# Allegro board Try it by yourself - iMX6Rex module - Change track width on L3.brd (continued)
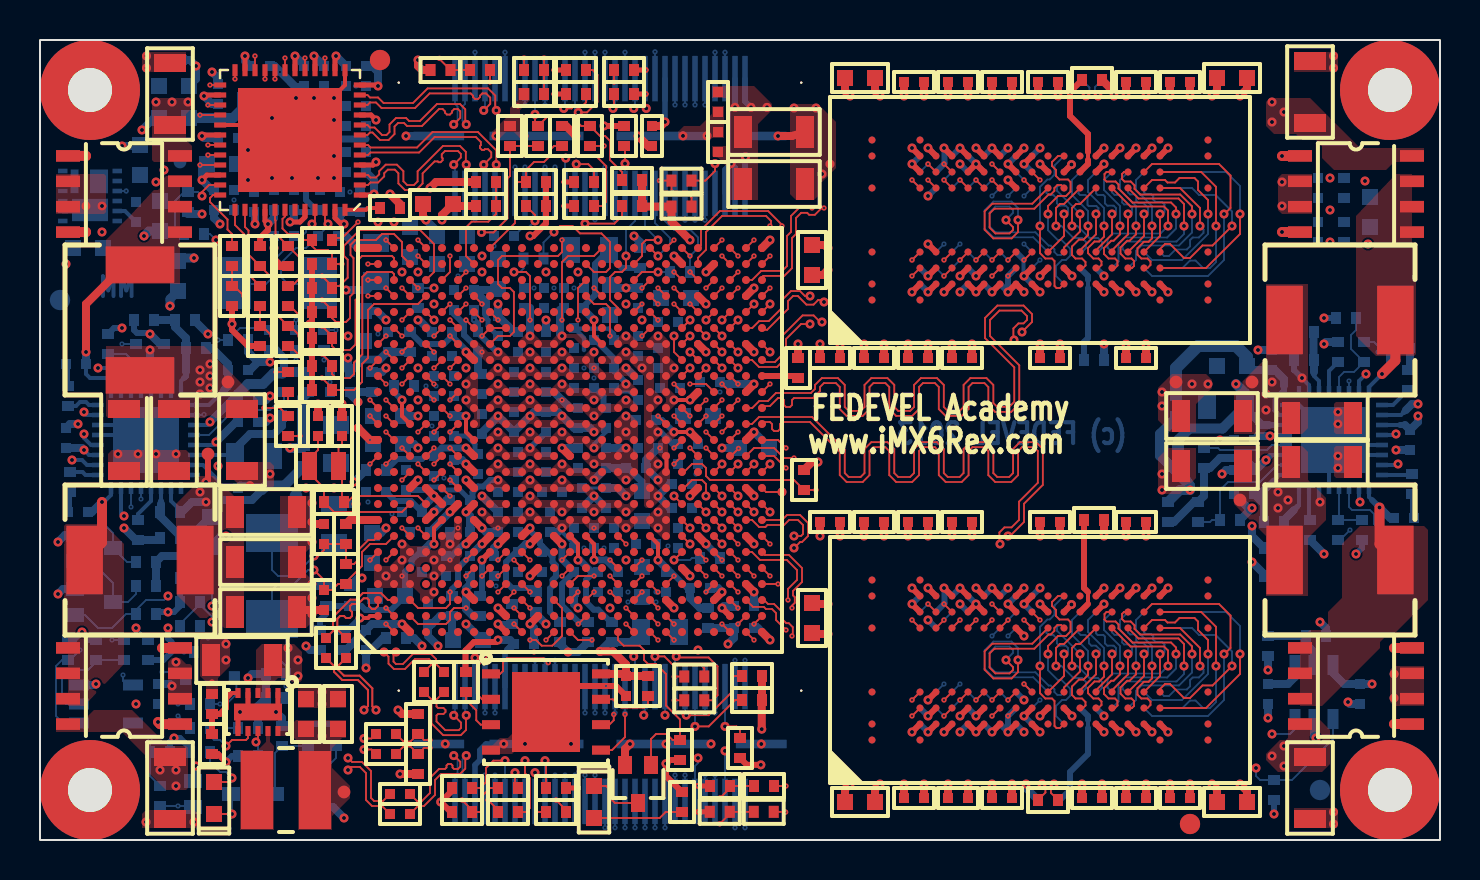
[diagram p0: board, top side]
## Routing (per net, layer and track width the routed paths; a pad name or vN(x,y) marks a point on that pad's centre or on a via; arc(x,y) is an arc through that point) (continued)
  L3 w0.1: v3(25.81,8.87) 25.7,8.98 25.7,9.59 25.87,9.76 25.87,11.04 25.7,11.21 25.7,12.28 25.2,12.78 25.2,16.5 25.8,17.1 26.3,17.1 26.9,17.7 26.9,25.2 v3(26.4,25.7)
CSPI3_MISO: length 27.8
  TOP w0.093: v2(26.9,26) 26.9,27.6 U1.P23 ; v2(24.7,9.4) 22.57,9.4 21.84,8.67 21.84,7.3 22.11,7.04 U10.2
  L2 w0.1: v3(26.6,26.3) v2(26.9,26) ; v2(24.7,9.4) v3(25.1,9.4)
  L3 w0.1: v3(25.1,9.4) 25.23,9.4 25.67,9.84 25.67,10.96 25.5,11.13 25.5,12.1 24.9,12.7 24.9,16.58 25.72,17.4 26.2,17.4 26.6,17.8 26.6,24.5 26.27,24.83 25.94,24.83 25.72,25.04 25.72,25.43 26.6,26.3 v3(26.6,26.3)
CSPI3_MOSI: length 28.2
  TOP w0.093: U1.P22 27.7,26.8 28.3,26.8 28.5,26.6 v2(28.5,25.2) ; v2(29.25,6.28) 29.25,5.15 28.6,4.5 U10.5
  L2 w0.1: v2(29.25,6.28) v3(29.25,6.68) ; v3(28.2,24.9) v2(28.5,25.2)
  L3 w0.1: v3(29.25,6.68) 28.03,7.9 27.37,7.9 26,9.27 26,9.6 26.07,9.68 26.07,11.13 25.9,11.3 25.9,12.47 25.5,12.87 25.5,16.4 25.9,16.8 26.4,16.8 27.2,17.6 27.2,24.43 27.67,24.9 v3(28.2,24.9)
DRAM0_ZQ: length 4.8
  TOP w0.2: 52.4,12.4 52.4,11.8
  TOP w0.3: 52.4,11.8 U2.L8 ; R4.2 52.2,12.6 52.4,12.4
DRAM1_ZQ: length 5.4
  BOTTOM w0.2: 52.4,6 52.4,5.6
  BOTTOM w0.3: 52.4,6 52.4,6.2 U3.L8 ; 52.4,5.6 52.4,4.3 51.5,3.4 51.5,2.5 51,2 R5.2
DRAM2_ZQ: length 5.4
  TOP w0.2: 52.4,34.4 52.4,34
  TOP w0.3: 52.4,34.4 52.4,35.3 51.5,36.2 51.5,37.4 R8.2 ; U4.L8 52.4,33.8 52.4,34
DRAM3_ZQ: length 4.8
  BOTTOM w0.2: 52.4,28 52.4,27.6
  BOTTOM w0.3: R9.2 52.2,24.9 52.4,25.1 52.4,27.6 ; U5.L8 52.4,28.2 52.4,28
DRAM_A0: length 70.8
  TOP w0.093: v1(54.4,31.3) 54.4,30.28 53.6,29.48 U4.N3 ; v1(54.4,9.3) 54.4,8.28 53.6,7.48 U2.N3 ; v2(34.1,20.4) U1.AC14
  L2 w0.1: v2(34.1,20.4) v3(34.4,20.1)
  L3 w0.1: v4(52.9,18.6) 52.62,18.6 51.27,17.25 46.11,17.25 45.69,17.68 44.6,17.68 44.42,17.5 40.83,17.5 38.73,19.6 36.9,19.6 36.71,19.42 36.71,19.18 36.87,19.02 36.87,18.64 36.66,18.43 36.24,18.43 35.9,18.08 35.9,17.75 35.75,17.6 35.5,17.6 35.35,17.75 35.35,18.05 35.2,18.2 34.95,18.2 34.8,18.05 34.8,17.75 34.65,17.6 34.4,17.6 34.25,17.75 34.25,18.05 34.1,18.2 33.25,18.2 33.12,18.33 33.12,18.7 33.25,18.83 33.53,18.83 33.9,19.2 34.23,19.2 34.6,19.57 34.6,19.9 v3(34.4,20.1)
  L10 w0.08: v1(54.4,9.3) 54.4,9.69 57,12.29 57,13 56.77,13.23 56.45,13.23 56.25,13.42 56.25,14.49 56.11,14.63 55.86,14.63 55.71,14.48 55.71,13.84 55.56,13.69 55.31,13.69 55.15,13.85 55.15,14.69 55.28,14.82 55.55,14.82 55.67,14.94 55.67,15.63 55.55,15.75 55.28,15.75 55.15,15.88 55.15,16.62 54.72,17.05 54.22,17.05 53.77,17.5 53.77,17.75 54.17,18.15 54.17,18.4 54.02,18.55 53.77,18.55 53.37,18.15 53.12,18.15 52.9,18.37 v4(52.9,18.6) 52.1,19.4 52.1,19.65 52.25,19.8 52.5,19.8 52.7,20 52.7,21.74 53.7,22.74 53.7,23 55.12,24.43 55.46,24.43 55.67,24.64 55.67,25.42 57.3,27.04 57.3,27.76 56.26,28.8 55.99,28.8 54.4,30.39 v1(54.4,31.3)
  BOTTOM w0.093: U5.N3 53.6,32.38 53.73,32.25 53.96,32.25 54.11,32.11 54.11,31.87 54.21,31.78 54.44,31.78 54.6,31.62 54.6,31.4 54.5,31.3 v1(54.4,31.3) ; U3.N3 53.6,10.38 53.73,10.25 53.96,10.25 54.11,10.11 54.11,9.87 54.21,9.78 54.44,9.78 54.6,9.62 54.6,9.4 54.5,9.3 v1(54.4,9.3)
DRAM_A1: length 74
  TOP w0.093: v1(57.2,8.7) 57.2,9.8 56.92,10.08 54.92,10.08 U2.P7 ; U4.P7 54.92,32.08 56.92,32.08 57.2,31.8 v1(57.2,30.7) ; U1.AB14 v2(34.1,21.2)
  L2 w0.1: v3(33.8,20.9) v2(34.1,21.2)
  L3 w0.1: v3(33.8,20.9) 33.91,21.01 34.08,21.01 34.17,21.1 39.25,21.1 41.35,19 46.06,19 46.33,18.73 46.66,18.73 46.93,19 47.5,19 48.02,18.48 50.83,18.48 52.25,19.9 53.33,19.9 53.66,20.23 55.25,20.23 55.45,20.43 56.76,20.43 57.05,20.72 57.05,21.5 56.9,21.65 56.65,21.65 56.5,21.5 56.5,21.3 56.2,21 v4(55.9,21)
  L10 w0.08: v1(57.2,30.7) 57.2,30.51 59.05,28.66 59.05,25.5 57.02,23.48 57.02,22.68 56.95,22.6 56.65,22.6 56.5,22.45 56.5,22.2 56.65,22.05 57.45,22.05 57.6,21.9 57.6,21.65 57.45,21.5 56.43,21.5 56.26,21.33 56,21.33 55.9,21.23 v4(55.9,21) 55.9,20.36 56.85,19.41 56.85,19.3 58.7,17.45 58.7,11.49 57.2,9.99 v1(57.2,8.7)
  BOTTOM w0.093: v1(57.2,30.7) 57.2,30.3 56.82,29.93 54.31,29.93 54.12,29.74 54.12,29.55 54.27,29.4 U5.P7 ; v1(57.2,8.7) 57.2,8.3 56.82,7.93 54.31,7.93 54.12,7.74 54.12,7.55 54.27,7.4 U3.P7
DRAM_A2: length 68.5
  TOP w0.093: v1(55.2,9.3) 55.2,8.2 U2.P3 ; v1(55.2,31.3) 55.2,30.2 U4.P3 ; U1.AA14 v2(33.3,21.2)
  L2 w0.1: v3(33,20.9) v2(33.3,21.2)
  L3 w0.1: v4(53.3,20.4) 52.45,20.4 51.55,19.5 51.07,19.5 50.9,19.68 48.98,19.68 48.85,19.55 48.85,19.1 48.7,18.95 48.45,18.95 48.3,19.1 48.3,19.45 48.15,19.6 46.88,19.6 46.78,19.7 46.6,19.7 46.45,19.85 46.45,20.25 46.3,20.4 46.05,20.4 45.9,20.25 45.9,19.85 45.75,19.7 45.5,19.7 45.35,19.85 45.35,20.25 45.2,20.4 44.95,20.4 44.8,20.25 44.8,19.85 44.65,19.7 44.4,19.7 44.25,19.85 44.25,20.55 44.1,20.7 43.85,20.7 43.7,20.55 43.7,19.85 43.55,19.7 43.3,19.7 43.15,19.85 43.15,20.55 43,20.7 42.75,20.7 42.6,20.55 42.6,19.85 42.45,19.7 42.2,19.7 42.05,19.85 42.05,20.55 41.9,20.7 41.65,20.7 41.5,20.55 41.5,20.35 41.35,20.2 41.15,20.2 39.5,21.85 36.13,21.85 36.09,21.82 34.89,21.82 34.72,21.98 34.48,21.98 34.31,21.82 34.31,21.81 33.92,21.41 33.51,21.41 v3(33,20.9)
  L10 w0.08: v1(55.2,9.3) 55.2,9.78 57.45,12.03 57.45,14.78 56.94,15.29 56.94,15.89 56.63,16.21 55.89,16.21 55.6,16.5 55.6,16.8 54.92,17.48 54.92,18.71 54.46,19.18 53.72,19.18 53.3,19.6 v4(53.3,20.4) 53.3,21.65 56.2,24.55 56.2,25.26 56.35,25.41 56.6,25.41 56.76,25.25 57,25.25 57.15,25.4 57.15,25.64 56.99,25.79 56.99,26.03 57.8,26.84 57.8,27.97 55.2,30.57 v1(55.2,31.3)
  BOTTOM w0.093: v1(55.2,9.3) 55.3,9.3 55.4,9.4 55.4,9.62 55.16,9.85 54.93,9.85 54.82,9.97 54.82,10.2 54.74,10.28 54.5,10.28 54.4,10.38 U3.P3 ; U5.P3 54.4,32.38 54.5,32.28 54.74,32.28 54.82,32.2 54.82,31.97 54.93,31.85 55.16,31.85 55.4,31.62 55.4,31.4 55.3,31.3 v1(55.2,31.3)
DRAM_A3: length 72.4
  TOP w0.093: U2.N2 53.75,6.6 53.87,6.73 53.87,6.95 53.75,7.08 53.42,7.08 53.2,7.3 53.2,7.6 53.56,7.96 53.68,7.96 54,8.28 v1(54,8.7) ; U4.N2 53.75,28.6 53.87,28.73 53.87,28.95 53.75,29.08 53.42,29.08 53.2,29.3 53.2,29.6 53.56,29.96 53.68,29.96 54,30.28 v1(54,30.7) ; v2(31.7,21.2) U1.Y14
  L2 w0.1: v3(31.4,21.5) v2(31.7,21.2)
  L3 w0.1: v3(31.4,21.5) 31.27,21.63 31.27,22.16 31.05,22.38 31.05,22.95 30.9,23.1 30.65,23.1 30.5,22.95 30.5,22.6 30.29,22.39 29.89,22.39 29.7,22.2 29.7,21.8 30.5,21 32.41,21 33.31,21.9 33.6,21.9 33.68,21.98 34.18,21.98 34.38,22.19 34.83,22.19 35,22.02 36.01,22.02 36.1,22.1 39.53,22.1 40.68,20.95 44.15,20.95 44.5,20.6 46.5,20.6 47.22,19.87 50.03,19.87 50.23,20.08 51.22,20.08 v4(51.4,19.9)
  L10 w0.08: v1(54,8.7) 54,9.64 56.8,12.44 56.8,12.78 56.61,12.98 56.04,12.98 55.56,13.45 55.15,13.45 54.9,13.7 54.9,16.53 54.63,16.8 54.13,16.8 51.4,19.53 v4(51.4,19.9) 51.4,20.2 51.65,20.45 51.85,20.45 52.1,20.2 52.35,20.2 52.5,20.35 52.5,20.7 52.3,20.9 52.3,21.7 53.4,22.8 53.4,23.04 54.92,24.56 54.92,25.04 57.05,27.16 57.05,27.66 56.21,28.5 55.93,28.5 54,30.43 v1(54,30.7)
  BOTTOM w0.093: v1(54,8.7) 54,9.7 53.2,10.5 53.2,11 U3.N2 ; U5.N2 53.2,33 53.2,32.5 54,31.7 v1(54,30.7)
DRAM_A4: length 75.9
  TOP w0.093: v2(30.9,21.2) U1.W14 ; U4.P8 54.2,33.4 54.1,33.3 54.1,33.05 54.22,32.93 54.53,32.93 54.72,32.73 54.72,32.56 55.01,32.28 57.01,32.28 57.6,31.68 v1(57.6,31.3) ; v1(57.6,9.3) 57.6,9.68 57.01,10.28 55.01,10.28 54.72,10.56 54.72,10.73 54.53,10.93 54.22,10.93 54.1,11.05 54.1,11.3 54.2,11.4 U2.P8
  L2 w0.1: v3(30.6,21.5) v2(30.9,21.2)
  L3 w0.1: v4(56.6,20.8) 56.42,20.63 55.36,20.63 55.16,20.43 53.81,20.43 53.43,20.8 53.1,20.8 52.95,20.65 51.52,20.65 51.14,20.28 50.15,20.28 50,20.13 47.32,20.13 46.6,20.85 44.54,20.85 44.19,21.2 40.72,21.2 39.57,22.35 36.06,22.35 35.93,22.22 35.08,22.22 34.91,22.39 33.8,22.39 33.51,22.1 33.23,22.1 32.35,21.22 30.88,21.22 v3(30.6,21.5)
  L10 w0.08: v1(57.6,31.3) 57.6,30.46 59.3,28.76 59.3,25.35 57.22,23.28 57.22,22.59 57.8,22.02 57.8,21.55 57.45,21.2 57,21.2 v4(56.6,20.8) 56.6,19.95 58.95,17.6 58.95,11.39 57.6,10.04 v1(57.6,9.3)
  BOTTOM w0.093: U3.P8 54.8,7 54.8,7.46 55.07,7.73 56.95,7.73 57.6,8.38 v1(57.6,9.3) ; v1(57.6,31.3) 57.6,30.38 56.95,29.73 55.07,29.73 54.8,29.46 54.8,29 U5.P8
DRAM_A5: length 73.2
  TOP w0.093: U1.AE13 36.9,20 v2(37.3,19.6) ; v1(54.8,8.7) 54.8,8.28 54.48,7.96 54.36,7.96 54.02,7.63 54.02,7.32 54.27,7.08 54.57,7.08 54.7,6.95 54.7,6.7 54.6,6.6 U2.P2 ; U4.P2 54.6,28.6 54.7,28.7 54.7,28.95 54.57,29.08 54.27,29.08 54.02,29.32 54.02,29.63 54.36,29.96 54.48,29.96 54.8,30.28 v1(54.8,30.7)
  L2 w0.1: v3(37,19.3) v2(37.3,19.6)
  L3 w0.1: v3(37,19.3) 37,19.3 38.18,19.3 38.52,18.96 38.52,18.74 38.74,18.52 39.47,18.52 40.75,17.25 44.45,17.25 44.68,17.48 45.6,17.48 46.08,17 51.35,17 52.27,17.93 52.67,17.93 52.9,17.7 52.9,16.9 53.05,16.75 54.5,16.75 54.65,16.9 54.65,17.15 54.5,17.3 53.5,17.3 53.35,17.45 53.35,18.65 53.5,18.8 53.75,18.8 53.9,18.65 53.9,17.9 54.05,17.75 54.3,17.75 54.45,17.9 54.45,18.65 v4(54.4,18.7)
  L10 w0.08: v1(54.8,8.7) 54.8,9.74 57.2,12.14 57.2,13.65 57.1,13.75 56.6,13.75 56.45,13.9 56.45,14.15 56.6,14.3 57.1,14.3 57.25,14.45 57.25,14.7 57.1,14.85 56.1,14.85 55.95,15 55.95,15.25 56.1,15.4 56.54,15.4 56.69,15.56 56.69,15.81 56.54,15.96 55.76,15.96 55.4,16.31 55.4,16.7 54.8,17.3 54.3,17.3 54.15,17.45 54.15,17.7 54.35,17.9 54.6,17.9 54.7,18 54.7,18.5 54.5,18.7 v4(54.4,18.7) 54.2,18.9 53.7,18.9 52.92,19.68 52.92,20.63 53,20.71 53,21.71 53.99,22.7 53.99,22.96 55.25,24.22 55.54,24.22 55.95,24.64 55.95,25.34 57.55,26.94 57.55,27.87 56.34,29.08 56.07,29.08 54.8,30.35 v1(54.8,30.7)
  BOTTOM w0.093: v1(54.8,8.7) 54.8,9.7 54,10.5 54,11 U3.P2 ; v1(54.8,30.7) 54.8,31.7 54,32.5 54,33 U5.P2
DRAM_A6: length 79.7
  TOP w0.093: U4.R8 55.6,33.8 58.95,33.8 59.52,33.23 59.52,31.6 59.22,31.3 v1(59.2,31.3) ; U1.AC13 v2(34.9,20.4) ; U2.R8 55.6,11.8 58.95,11.8 59.52,11.23 59.52,9.6 59.22,9.3 v1(59.2,9.3)
  L2 w0.1: v2(34.9,20.4) v3(35.2,20.7)
  L3 w0.1: v4(59.4,20.7) 59.4,21.3 59.2,21.5 58.11,21.5 56.81,20.2 55.63,20.2 55.43,20 53.71,20 53.41,19.7 52.39,19.7 50.91,18.23 47.94,18.23 47.49,18.68 46.89,18.68 46.69,18.48 46.3,18.48 46.03,18.75 41.27,18.75 39.17,20.85 35.35,20.85 v3(35.2,20.7)
  L10 w0.08: v1(59.2,31.3) 59.2,30.5 60.3,29.4 60.3,24.9 60,24.6 60,23.82 60.17,23.64 60.17,22.5 59.9,22.22 59.9,21.5 59.75,21.35 59.35,21.35 59.2,21.2 59.2,20.9 v4(59.4,20.7) 59.4,19.37 59.97,18.79 59.97,10.68 59.2,9.9 v1(59.2,9.3)
  BOTTOM w0.093: U5.R8 55.6,28.2 58.4,28.2 59.2,29 v1(59.2,31.3) ; U3.R8 55.6,6.2 58.4,6.2 59.2,7 v1(59.2,9.3)
DRAM_A7: length 71
  TOP w0.093: v1(55.6,8.7) 55.6,8.08 55.43,7.91 55.19,7.91 54.87,7.59 54.87,7.27 55.07,7.08 55.37,7.08 55.52,6.93 55.52,6.75 55.37,6.6 U2.R2 ; U4.R2 55.37,28.6 55.52,28.75 55.52,28.93 55.37,29.08 55.07,29.08 54.87,29.27 54.87,29.59 55.19,29.91 55.43,29.91 55.6,30.08 v1(55.6,30.7) ; U1.Y13 v2(31.7,19.6)
  L2 w0.1: v3(31.4,19.3) v2(31.7,19.6)
  L3 w0.1: v4(53.9,19.6) 53.72,19.43 52.44,19.43 50.99,17.98 47.86,17.98 47.36,18.48 47.04,18.48 46.79,18.23 46.27,18.23 45.99,18.5 41.19,18.5 39.09,20.6 36.43,20.6 35.86,20.03 35.47,20.03 34.69,20.81 34.11,20.81 33.92,20.62 33.43,20.62 33.11,20.3 33.11,20.02 32.9,19.8 30,19.8 29.85,19.65 29.85,19.35 30,19.2 31.3,19.2 v3(31.4,19.3)
  L10 w0.08: v1(55.6,30.7) 55.6,30.52 58.05,28.07 58.05,26.75 57.55,26.25 57.55,25.5 53.72,21.68 53.72,19.78 v4(53.9,19.6) 54.1,19.4 54.52,19.4 55.12,18.8 55.12,17.58 55.8,16.9 55.8,16.7 56.09,16.41 56.76,16.41 57.14,16.02 57.14,15.46 57.7,14.9 57.7,11.93 55.6,9.83 v1(55.6,8.7)
  BOTTOM w0.093: v1(55.6,8.7) 55.6,9.7 54.8,10.5 54.8,11 U3.R2 ; v1(55.6,30.7) 55.6,31.7 54.8,32.5 54.8,33 U5.R2
DRAM_A8: length 75.5
  TOP w0.093: U4.T8 58.06,33.4 58.8,32.66 v1(58.8,30.7) ; U2.T8 58.06,11.4 58.8,10.66 v1(58.8,8.7) ; v2(33.3,20.4) U1.AB13
  L2 w0.1: v2(33.3,20.4) v3(33.6,20.1)
  L3 w0.1: v3(33.6,20.1) 34,20.1 34.28,20.39 34.55,20.39 35.41,19.53 35.92,19.53 36.5,20.1 38.92,20.1 41.02,18 44.36,18 44.43,18.08 45.85,18.08 46.2,17.73 51.08,17.73 52.58,19.23 54.06,19.23 54.61,19.78 55.49,19.78 55.72,20 57,20 57.9,20.9 v4(58.7,20.9)
  L10 w0.08: v1(58.8,8.7) 58.8,10 59.72,10.93 59.72,18.58 58.62,19.68 58.62,20.2 58.7,20.28 v4(58.7,20.9) 58.7,21 58.55,21.15 58.55,21.4 58.7,21.55 59.55,21.55 59.7,21.7 59.7,21.95 59.55,22.1 59.3,22.1 59.1,22.3 59.1,22.95 59.33,23.18 59.7,23.18 59.85,23.33 59.85,23.58 59.7,23.73 59.37,23.73 59.22,23.87 59.22,24.18 60.05,25 60.05,29.25 58.8,30.5 v1(58.8,30.7)
  BOTTOM w0.093: U5.T8 57.13,28.6 57.5,28.97 57.78,28.97 58.15,28.6 58.5,28.6 58.8,28.9 v1(58.8,30.7) ; U3.T8 57.13,6.6 57.5,6.97 57.78,6.97 58.15,6.6 58.5,6.6 58.8,6.9 v1(58.8,8.7)
DRAM_A9: length 69.7
  TOP w0.093: v1(56,31.3) 56,30.2 U4.R3 ; U1.AE12 36.7,19.2 v2(37.3,18.6) ; v1(56,9.3) 56,8.2 U2.R3
  L2 w0.1: v2(37.3,18.6) v3(37.6,18.3)
  L3 w0.1: v4(55.5,18.8) 55.6,18.7 56.6,18.7 56.77,18.52 56.77,18.1 56.55,17.87 55.77,17.87 55.6,17.7 55.6,17.37 55.9,17.07 55.9,16.8 55.35,16.25 36.88,16.25 36.66,16.03 36.34,16.03 36.12,16.24 36.12,16.63 36.5,17 36.5,17.3 36.3,17.5 36.3,17.8 36.52,18.03 36.9,18.03 37.17,18.3 v3(37.6,18.3)
  L10 w0.08: v1(56,9.3) 56,9.88 57.95,11.83 57.95,14.95 57.75,15.15 57.75,15.35 58,15.6 58,15.85 57.85,16 57.45,16 57.3,16.15 57.3,16.4 57.45,16.55 57.85,16.55 58,16.7 58,16.95 57.85,17.1 57.35,17.1 57.04,17.41 57.04,17.64 56.89,17.79 56.64,17.79 56.49,17.64 56.49,17.29 56.68,17.1 56.68,16.85 56.53,16.7 56.28,16.7 55.4,17.58 55.4,18.7 v4(55.5,18.8) 54.3,20 54.3,21.86 58.3,25.86 58.3,28.2 56,30.5 v1(56,31.3)
  BOTTOM w0.093: v1(56,9.3) 56.12,9.3 56.22,9.4 56.22,9.78 56.1,9.9 55.78,9.9 55.66,10.02 55.66,10.19 55.55,10.3 55.28,10.3 55.2,10.38 U3.R3 ; v1(56,31.3) 56.12,31.3 56.22,31.4 56.22,31.78 56.1,31.9 55.78,31.9 55.66,32.02 55.66,32.19 55.55,32.3 55.28,32.3 55.2,32.38 U5.R3
DRAM_A10: length 73.3
  TOP w0.093: v1(50.8,30.7) 50.8,31.6 51,31.8 51.2,31.8 U4.L7 ; U1.AA15 v2(33.3,22) ; v1(50.8,8.7) 50.8,9.6 51,9.8 51.2,9.8 U2.L7
  L2 w0.1: v3(33,22.3) v2(33.3,22)
  L3 w0.1: v3(33,22.3) 33.7,23 33.98,23 34.4,22.59 34.7,22.59 35.51,23.4 48.7,23.4 49.1,23 49.1,21.9 48.95,21.75 48.7,21.75 48.55,21.9 48.55,22.65 48.4,22.8 48.15,22.8 48,22.65 48,21.9 47.85,21.75 47.6,21.75 47.45,21.9 47.45,22.65 47.3,22.8 45.9,22.8 45.7,22.6 45.7,22.2 45.9,22 v4(46.4,22)
  L10 w0.08: v1(50.8,8.7) 50.8,9.6 52.24,11.04 52.24,11.96 51.97,12.23 51.97,13.28 50.82,14.43 50.68,14.43 50.28,14.83 49.84,14.83 49.57,15.1 49.57,15.46 49.02,16 47.02,16 46.55,16.47 46.55,18.5 46.12,18.93 46.12,19.33 46.7,19.9 46.7,21.8 46.5,22 v4(46.4,22) 46.3,22 46.1,21.8 46.1,20.1 45.95,19.95 45.65,19.95 45.5,20.1 45.5,22.02 45.88,22.4 46.4,22.4 46.6,22.6 46.6,23 46.8,23.2 48.58,23.2 49.81,24.43 50.16,24.43 50.37,24.64 50.37,25.24 52.27,27.13 52.27,28.99 50.8,30.45 v1(50.8,30.7)
  BOTTOM w0.093: U3.L7 52.1,7.4 52.3,7.6 52.3,7.9 52.1,8.1 51.67,8.1 51.07,8.7 v1(50.8,8.7) ; v1(50.8,30.7) 51.07,30.7 51.67,30.1 52.1,30.1 52.3,29.9 52.3,29.6 52.1,29.4 U5.L7
DRAM_A11: length 74.6
  TOP w0.093: v1(58.4,9.3) 58.4,10 57.9,10.5 57.9,10.93 57.72,11.1 56.97,11.1 56.75,10.88 56.37,10.88 56.25,11 55.6,11 U2.R7 ; v1(58.4,31.3) 58.4,32 57.9,32.5 57.9,32.93 57.72,33.1 56.97,33.1 56.75,32.88 56.37,32.88 56.25,33 55.6,33 U4.R7 ; v2(34.92,19.58) 34.52,19.18 U1.AC12
  L2 w0.1: v2(34.92,19.58) v3(35.22,19.28)
  L3 w0.1: v4(58.1,20.5) 58.22,20.63 58.37,20.63 58.52,20.48 58.52,20.23 58.37,20.08 57.37,20.08 57.07,19.78 55.77,19.78 55.57,19.58 54.74,19.58 54.17,19 52.68,19 51.18,17.5 46.14,17.5 45.77,17.87 44.51,17.87 44.39,17.75 40.91,17.75 38.81,19.85 36.85,19.85 36.12,19.13 36.12,18.69 35.86,18.43 34.74,18.43 34.52,18.64 34.52,18.96 34.84,19.28 v3(35.22,19.28)
  L10 w0.08: v1(58.4,31.3) 58.4,30.5 59.8,29.1 59.8,25.13 58.37,23.7 58.37,23.37 58.77,22.96 58.77,22.64 58.3,22.17 58.3,21.1 58.1,20.9 v4(58.1,20.5) 58.1,19.5 58.92,18.68 59.26,18.68 59.47,18.46 59.47,11.08 58.4,10 v1(58.4,9.3)
  BOTTOM w0.093: v1(58.4,31.3) 58.4,30.3 57.1,29 55.6,29 U5.R7 ; v1(58.4,9.3) 58.4,8.3 57.1,7 55.6,7 U3.R7
DRAM_A12: length 74.1
  TOP w0.093: v2(37.7,19.1) 37.2,19.1 36.7,19.6 35.7,19.6 U1.AD12 ; U2.N7 54.52,9.68 56.2,9.68 56.4,9.48 v1(56.4,8.7) ; U4.N7 54.52,31.68 56.2,31.68 56.4,31.48 v1(56.4,30.7)
  L2 w0.1: v2(37.7,19.1) v3(38,18.8)
  L3 w0.1: v3(38,18.8) 38,18.4 38.32,18.08 39.1,18.08 39.28,17.9 39.28,17.63 39.49,17.41 39.95,17.41 40.61,16.75 44.52,16.75 44.84,17.08 45.44,17.08 46.01,16.5 55.1,16.5 55.3,16.7 55.3,16.9 55.2,17 55.2,17.2 55.3,17.3 55.3,17.65 55.15,17.8 54.95,17.8 54.8,17.95 54.8,18.9 55.07,19.18 55.66,19.18 55.93,18.9 56.9,18.9 57.05,19.05 57.05,19.3 56.9,19.45 56.05,19.45 v4(56,19.4)
  L10 w0.08: v1(56.4,30.7) 56.4,30.6 58.55,28.45 58.55,25.75 54.52,21.73 54.52,20.68 55.8,19.4 v4(56,19.4) 56.1,19.4 56.4,19.1 56.4,18.8 56.27,18.68 55.94,18.68 55.72,18.46 55.72,18.08 55.87,17.93 56.26,17.93 56.53,18.2 56.87,18.2 57.19,17.87 57.66,17.87 58.2,17.34 58.2,16.6 58,16.4 58,16.2 58.2,16 58.2,11.7 56.37,9.88 56.37,8.73 v1(56.4,8.7)
  BOTTOM w0.093: U5.N7 53.37,29.63 53.37,30.05 53.65,30.33 56.02,30.33 v1(56.4,30.7) ; v1(56.4,8.7) 56.02,8.33 53.65,8.33 53.37,8.05 53.37,7.63 U3.N7
DRAM_A13: length 73.5
  TOP w0.093: v1(59.6,30.7) 58.62,29.73 58.12,29.73 57.5,29.1 57.2,29.1 56.5,29.8 56.25,29.8 56,29.55 U4.T3 ; U2.T3 56,7.55 56.25,7.8 56.5,7.8 57.2,7.1 57.5,7.1 58.12,7.73 58.62,7.73 v1(59.6,8.7) ; U1.AC17 v2(34.9,22.8)
  L2 w0.1: v2(34.9,22.8) v3(35.2,22.5)
  L3 w0.1: v3(35.2,22.5) 35.27,22.43 35.86,22.43 36.03,22.6 39.6,22.6 40.75,21.45 44.22,21.45 44.57,21.1 46.7,21.1 47.43,20.38 49.16,20.38 49.26,20.48 51.06,20.48 51.48,20.9 52.8,20.9 52.9,21 54.37,21 54.74,20.63 55.06,20.63 55.5,21.07 55.5,22.33 55.94,22.78 57.02,22.78 57.8,22 59.4,22 59.8,21.6 v4(59.8,20)
  L10 w0.08: v1(59.6,30.7) 60.55,29.75 60.55,24.73 60.27,24.46 60.27,23.83 60.5,23.6 60.5,21.2 60.3,21 60,21 59.8,20.8 v4(59.8,20) 59.8,19.43 60.22,19 60.22,10.43 59.6,9.8 v1(59.6,8.7)
  BOTTOM w0.093: U5.T3 57.6,32.6 57.95,32.25 58.78,32.25 59.6,31.43 v1(59.6,30.7) ; v1(59.6,8.7) 59.6,9.43 58.78,10.25 57.95,10.25 57.6,10.6 U3.T3
DRAM_A14: length 69.7
  TOP w0.093: U4.T7 57,32.6 58,31.6 v1(58,30.7) ; U2.T7 57,10.6 58,9.6 v1(58,8.7) ; v2(32.5,19.6) U1.AA12
  L2 w0.1: v2(32.5,19.6) v3(32.8,19.3)
  L3 w0.1: v4(57.7,19.7) 57.25,19.25 57.25,18.85 57,18.6 57,18.03 56.67,17.7 56.67,17.25 55.43,16 36.91,16 36.74,15.83 36.26,15.83 36.06,16.03 33.07,16.03 32.87,16.23 32.87,17.36 32.7,17.53 32.7,19.2 v3(32.8,19.3)
  L10 w0.08: v1(58,8.7) 58,10.08 59.2,11.28 59.2,17.67 58.7,18.17 58.7,18.5 58.2,19 57.9,19 57.55,19.35 57.55,19.55 v4(57.7,19.7) 57.7,20.9 58,21.2 58,23.72 59.55,25.27 59.55,29 58,30.55 v1(58,30.7)
  BOTTOM w0.093: U3.T7 56.2,7.2 56.45,7.2 56.77,7.53 57.34,7.53 57.5,7.69 57.5,8 57.63,8.13 57.94,8.13 58.17,8.36 58.17,8.53 v1(58,8.7) ; v1(58,30.7) 58.17,30.52 58.17,30.36 57.94,30.13 57.63,30.13 57.5,30 57.5,29.69 57.34,29.53 56.77,29.53 56.45,29.2 56.2,29.2 U5.T7
DRAM_A15: length 71.4
  TOP w0.093: v1(51.6,30.7) 51.6,31.6 51.8,31.8 52,31.8 U4.M7 ; U2.M7 52,9.8 51.8,9.8 51.6,9.6 v1(51.6,8.7) ; v2(31.7,18.8) U1.Y12
  L2 w0.1: v2(31.7,18.8) v3(32,19.1)
  L3 w0.1: v3(32,19.1) 31.7,19.1 31.5,18.9 31.5,18.6 31.3,18.4 30.3,18.4 29.9,18 29.9,16.95 30.05,16.8 30.35,16.8 30.5,16.95 30.5,17.4 30.7,17.6 31.1,17.6 31.3,17.4 31.3,16.9 31.5,16.7 31.9,16.7 32.1,16.9 32.1,17.77 32.43,18.1 32.43,19.4 32.63,19.6 33.1,19.6 33.31,19.82 33.31,20.22 33.5,20.4 33.99,20.4 34.19,20.61 34.61,20.61 35.44,19.78 35.89,19.78 36.47,20.35 39,20.35 41.1,18.25 44.32,18.25 44.37,18.3 45.91,18.3 46.24,17.98 47.07,17.98 v4(47.2,18.1)
  L10 w0.08: v1(51.6,8.7) 51.6,9.6 52.82,10.82 52.82,12 52.54,12.29 52.54,13.39 51.1,14.83 50.84,14.83 50.62,15.04 50.62,15.45 49.57,16.5 47.8,16.5 47.65,16.65 47.65,16.85 47.8,17 48,17 48.15,17.15 48.15,19.1 48,19.25 47.75,19.25 47.6,19.1 47.6,18.2 47.5,18.1 v4(47.2,18.1) 47,18.3 47,19.25 47.3,19.55 47.3,22.25 47.75,22.7 48.82,22.7 50.14,24.03 50.32,24.03 50.72,24.43 51.21,24.43 51.37,24.59 51.37,25.56 52.8,26.98 52.8,29.16 51.6,30.36 v1(51.6,30.7)
  BOTTOM w0.093: v1(51.6,30.7) 51.87,30.7 52.47,30.1 52.9,30.1 53.1,29.9 53.1,29.6 52.9,29.4 U5.M7 ; U3.M7 52.9,7.4 53.1,7.6 53.1,7.9 52.9,8.1 52.47,8.1 51.87,8.7 v1(51.6,8.7)
DRAM_CAS_B: length 70.7
  TOP w0.093: v1(52,9.3) 52,8.43 51.2,7.63 U2.K3 ; v1(52,31.3) 52,30.43 51.2,29.63 U4.K3 ; U1.AE16 v2(36.5,22.8)
  L2 w0.1: v3(36.2,23.1) v2(36.5,22.8)
  L3 w0.1: v3(36.2,23.1) 36.45,23.1 36.7,22.85 36.95,22.85 37.25,23.15 37.5,23.15 37.8,22.85 38.05,22.85 38.35,23.15 38.6,23.15 38.9,22.85 39.15,22.85 39.45,23.15 39.7,23.15 39.85,23 39.85,22.65 40,22.5 40.25,22.5 40.4,22.65 40.4,23 40.55,23.15 40.8,23.15 40.95,23 40.95,21.8 41.1,21.65 41.35,21.65 41.5,21.8 41.5,23 41.65,23.15 41.9,23.15 42.05,23 42.05,21.8 42.2,21.65 42.45,21.65 42.6,21.8 42.6,23 42.75,23.15 43,23.15 43.15,23 43.15,21.8 43.3,21.65 43.55,21.65 43.7,21.8 43.7,23 43.85,23.15 44.1,23.15 44.25,23 44.25,22.05 44.4,21.9 44.65,21.9 44.8,22.05 44.8,23 44.95,23.15 45.2,23.15 45.35,23 45.35,21.78 45.5,21.63 47.37,21.63 47.5,21.5 48.7,21.5 48.85,21.35 48.85,21.05 48.7,20.9 47.8,20.9 v4(47.7,21)
  L10 w0.08: v1(52,9.3) 52,9.6 53.57,11.17 53.57,11.96 53.33,12.2 53.07,12.2 52.82,12.44 52.82,13.45 51.37,14.9 51.37,15.36 51.16,15.58 50.85,15.58 49.68,16.75 48.9,16.75 48.4,17.25 48.4,19.2 48.15,19.45 47.85,19.45 47.7,19.6 47.7,19.85 47.85,20 48.2,20 48.35,20.15 48.35,20.4 48.2,20.55 47.9,20.55 47.7,20.75 v4(47.7,21) 47.7,22.3 47.85,22.45 48.1,22.45 48.25,22.3 48.25,21.35 48.4,21.2 48.65,21.2 48.8,21.35 48.8,22.35 50.27,23.83 50.4,23.83 50.73,24.15 51.26,24.15 51.62,24.51 51.62,25.48 53.17,27.03 53.36,27.03 53.57,27.24 53.57,28.36 53.13,28.8 53.13,29.17 52,30.3 v1(52,31.3)
  BOTTOM w0.093: v1(52,9.3) 52,9.31 50.85,10.46 50.85,10.65 50.92,10.73 51.07,10.73 U3.K3 ; v1(52,31.3) 52,31.31 50.85,32.46 50.85,32.65 50.92,32.73 51.07,32.73 U5.K3
DRAM_CLK0_N: length 64.3
  TOP w0.09: U1.AE15 36.2,21.7 36.5,21.7 36.9,22.1 37.1,22.1 37.2,22 37.2,21.75 37.3,21.65 37.5,21.65 37.6,21.75 37.6,22 37.7,22.1 38.65,22.1 39,22.45 39,22.65 39.2,22.85 39.79,22.85 39.99,22.65 39.99,21.55 40.33,21.2 41.13,21.2 41.48,21.55 41.48,22.65 41.67,22.85 42.27,22.85 42.46,22.65 42.46,21.55 42.81,21.2 43.61,21.2 43.95,21.55 43.95,22.65 44.15,22.85 44.74,22.85 44.94,22.65 44.94,21.55 45.28,21.2 46.08,21.2 46.43,21.55 46.43,22.65 46.62,22.85 47.22,22.85 47.42,22.65 47.42,21.75 47.76,21.4 47.86,21.4 48.56,21.4 48.96,21.81 48.96,23.74 47.5,25.2 47.5,26 47.97,26.47 49.07,26.47 49.35,26.2 49.35,26 49.18,25.83 48.92,25.83 48.67,25.58 48.67,25.03 v1(48.7,25) ; U4.K7 51.05,32.75 50.87,32.75 50.72,32.6 50.72,32.46 50.54,32.28 50.43,32.28 49.72,31.56 47.72,31.56 47.48,31.33 47.48,30.62 47.77,30.33 48.48,30.33 48.65,30.5 48.65,30.64 48.3,30.99 v1(48.3,31)
  L10 w0.085: v1(52.3,37.2) 52.3,36.2 50.49,34.39 50.49,32.59 49.9,32 49.1,32 48.3,31.2 v1(48.3,31) 48.3,30.42 50.37,28.35 50.37,27.25 50.12,27 49.3,27 48.22,25.92 48.22,25.48 v1(48.7,25)
  BOTTOM w0.09: 51.05,29.25 50.87,29.25 50.72,29.4 50.72,29.54 50.54,29.72 50.43,29.72 49.77,30.39 47.77,30.39 47.48,30.67 47.48,31.38 47.77,31.67 48.48,31.67 48.65,31.5 48.65,31.36 48.3,31.01 v1(48.3,31) ; 51.05,29.25 U5.K7 51.05,29.25 ; R2.1 52.47,37.63 52.47,37.38 52.3,37.21 v1(52.3,37.2)
DRAM_CLK0_P: length 64.1
  TOP w0.09: U4.J7 49.61,31.81 47.61,31.81 47.23,31.43 47.23,30.52 47.67,30.08 48.58,30.08 48.9,30.4 v1(48.9,31) ; U1.AD15 35.61,21.6 35.96,21.95 36.4,21.95 36.8,22.35 38.55,22.35 38.75,22.55 38.75,22.75 39.09,23.1 39.9,23.1 40.24,22.75 40.24,21.65 40.43,21.45 41.03,21.45 41.23,21.65 41.23,22.75 41.57,23.1 42.37,23.1 42.71,22.75 42.71,21.65 42.91,21.45 43.51,21.45 43.7,21.65 43.7,22.75 44.04,23.1 44.85,23.1 45.19,22.75 45.19,21.65 45.39,21.45 45.98,21.45 46.18,21.65 46.18,22.75 46.52,23.1 47.32,23.1 47.67,22.75 47.67,21.85 47.86,21.65 48.46,21.65 48.71,21.91 48.71,23.63 47.25,25.1 47.25,26.1 47.87,26.72 49.18,26.72 49.6,26.3 49.6,25.9 v1(49.1,25.4)
  L10 w0.085: v1(49.1,25.4) 49.04,25.46 48.63,25.46 48.5,25.6 48.5,25.8 49.42,26.72 50.24,26.72 50.65,27.13 50.65,28.47 48.58,30.54 48.58,30.63 48.9,30.95 v1(48.9,31) 48.9,31.4 49.22,31.72 50.02,31.72 50.77,32.47 50.77,34.27 52.58,36.08 52.58,36.68 52.9,37 v1(52.9,37.2)
  BOTTOM w0.09: U5.J7 49.66,30.14 47.66,30.14 47.23,30.57 47.23,31.48 47.67,31.92 48.58,31.92 48.9,31.6 v1(48.9,31) ; R2.2 52.75,37.65 52.75,37.35 v1(52.9,37.2)
DRAM_CLK1_N: length 64.1
  TOP w0.09: U2.K7 51.05,10.75 50.87,10.75 50.72,10.6 50.72,10.46 50.54,10.28 50.43,10.28 49.72,9.56 47.72,9.56 47.48,9.33 47.48,8.62 47.77,8.33 48.48,8.33 48.65,8.5 48.65,8.64 48.3,8.99 v1(48.3,9) ; R3.1 50.27,2.37 50.27,2.62 50.1,2.79 v1(50.1,2.8) ; U1.AE14 36.2,20.9 36.5,20.9 36.6,20.8 36.6,20.55 36.7,20.45 36.9,20.45 37,20.55 37,20.8 37.1,20.9 38.5,20.9 39.99,19.41 39.99,18.24 40.33,17.9 41.13,17.9 41.48,18.24 41.48,19.45 41.67,19.64 42.27,19.64 42.46,19.45 42.46,18.24 42.81,17.9 43.61,17.9 43.95,18.24 43.95,19.45 44.15,19.64 44.74,19.64 44.94,19.45 44.94,18.24 45.28,17.9 46.08,17.9 46.43,18.24 46.43,19.45 46.62,19.64 47.22,19.64 47.42,19.45 47.42,18.24 47.76,17.9 48.56,17.9 48.9,18.24 48.9,19.45 49.1,19.64 49.7,19.64 49.89,19.45 49.89,17.86 48.95,16.92 48.95,16 48.58,15.63 48.22,15.63 47.97,15.38 47.97,14.83 v1(48,14.8)
  L10 w0.085: v1(48,14.8) 48.06,14.74 48.47,14.74 48.6,14.6 48.6,14.2 49.83,12.97 50.15,12.97 50.37,12.75 50.37,11.26 49.57,10.46 49.57,10.05 49.25,9.73 48.94,9.73 48.3,9.09 v1(48.3,9) 48.3,8.92 48.52,8.7 48.52,8.48 49.1,7.9 50.3,7.9 50.92,7.28 50.92,4.62 50.22,3.92 50.22,2.92 v1(50.1,2.8)
  BOTTOM w0.09: v1(48.3,9) 48.3,9.01 48.65,9.36 48.65,9.5 48.48,9.67 47.77,9.67 47.48,9.38 47.48,8.67 47.77,8.39 49.77,8.39 50.43,7.72 50.54,7.72 50.72,7.54 50.72,7.4 50.87,7.25 51.05,7.25 U3.K7
